# Altium PCB ALCT_MEZ_LX150T.PcbDoc (part 4 of 8) (continued)
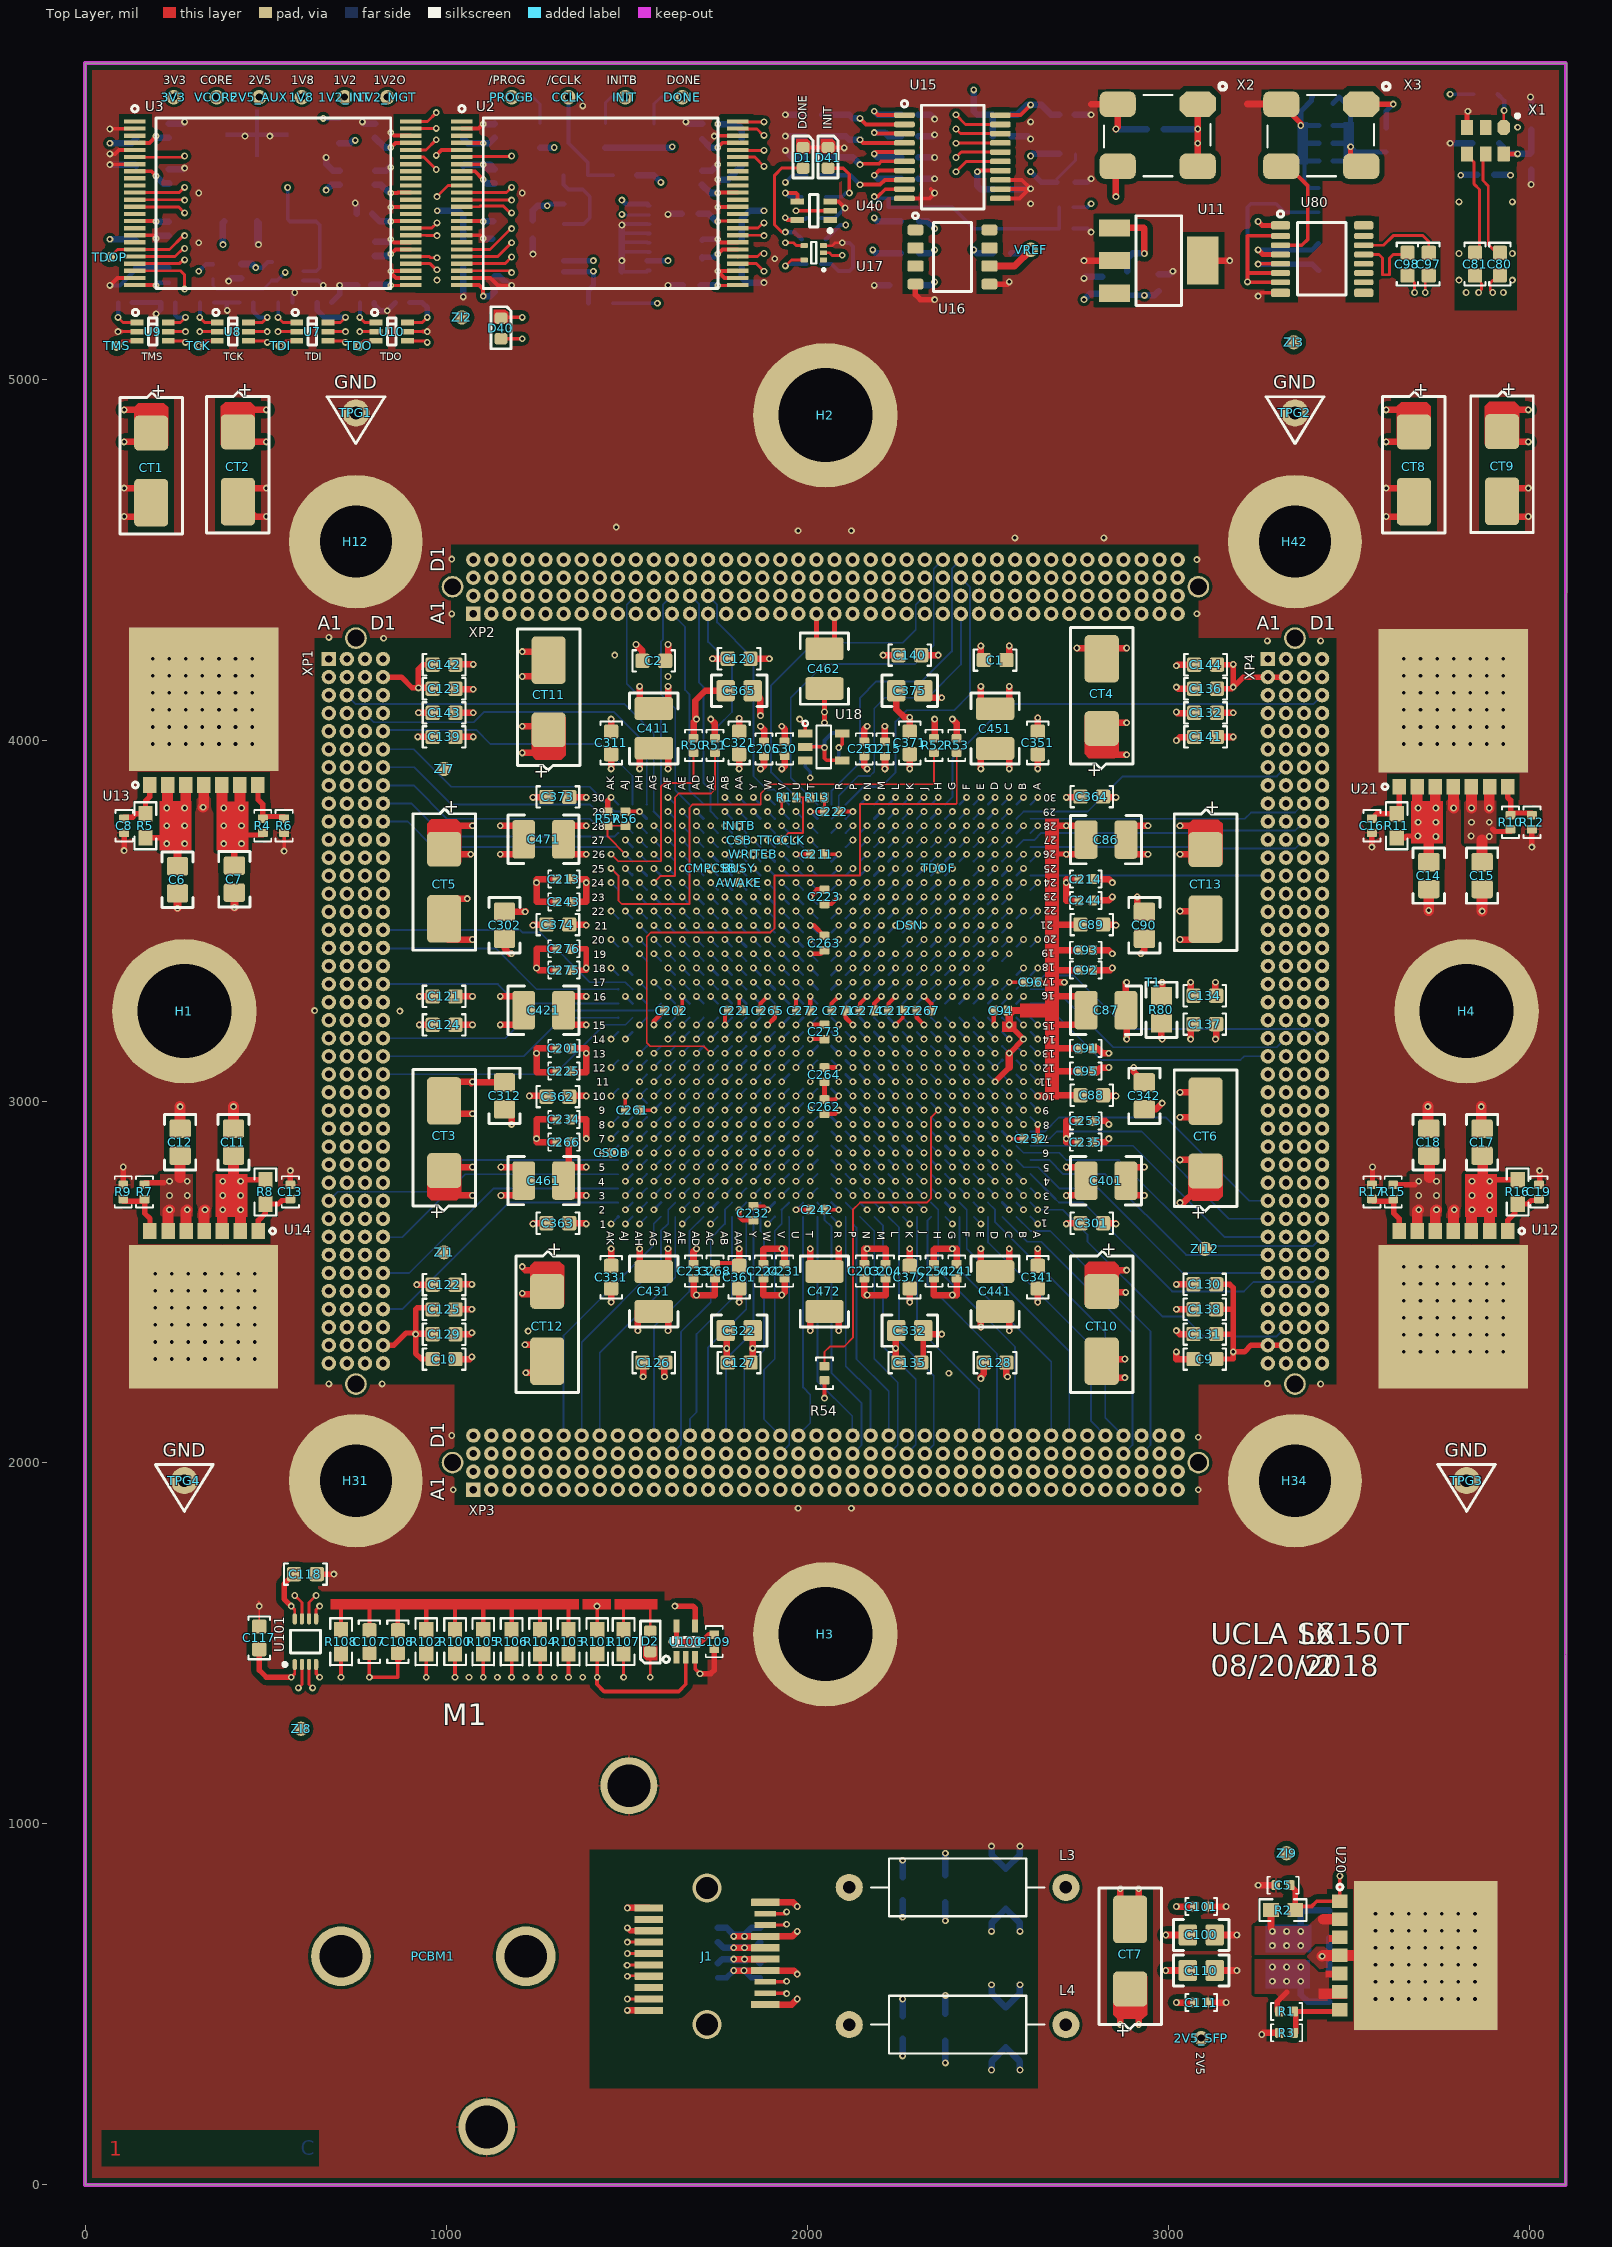
[diagram p0: Top Layer view]
## Nets (pads, with @x,y where several pads share a name; then routed paths per layer and width w, separated by ;. In a path a pad name is that pad's centre, name@x,y a point inside that pad or via, vN(x,y) a via of type N, cw(c..) or ccw(c..) an arc to the next point about the centre after c; other vN are vias at no path point) (continued)
  Bottom Layer w8: U1.F7@2421.26,2916.74 v1(2440.94,2897.05)
  Bottom Layer w10: v1@478.94,5370.87 v1@482.28,5367.53 ; 1487.21,5297.64 U4.8@1556.1,5297.64 ; 1489.17,5378.35 U4.5@1556.1,5378.35 ; 1489.17,5403.94 U4.4@1556.1,5403.94 ; v1@1489.17,5429.53 U4.3@1556.1,5429.53 ; 1491.14,5352.76 U4.6@1556.1,5352.76 ; U4.8@1556.1,5300.6 U4.8@1562.99,5300.6 ; U4.6@1556.1,5351.78 U4.6@1562.99,5351.78 ; U4.5@1556.1,5377.38 U4.5@1562.99,5377.38 ; U4.4@1556.1,5402.96 U4.4@1562.99,5402.96 ; U4.3@1556.1,5428.56 U4.3@1562.99,5428.56 ; U19.5@2086.61,3955.12 v1(2086.61,3979.73)
  Bottom Layer w11: v1(1938.98,5544.69) 1958.66,5564.38 C27.2@1998.03,5564.38 ; C75.2@2037.4,5318.31 2066.93,5318.31 2086.61,5298.63 2116.14,5298.63 2125.98,5308.47 2125.98,5367.53 2116.14,5377.37 v1(2096.46,5377.37) ; C78.2@2037.4,5446.27 2076.77,5446.27 v1(2104.33,5473.82) v1@2106.3,5475.79 ; C33.2@2303.15,5500.4 2337.6,5500.4 v1(2352.36,5515.16) ; R28.2@2736.22,5416.74 2775.59,5416.74 v1(2785.43,5406.9) ; 3375.98,5633.27 3375.98,5603.75 3375.98,5544.69 3391.73,5528.94 R83.2@3415.35,5528.94
  Bottom Layer w12: v1(68.9,5259.26) 96.46,5259.26 C71.2@137.8,5300.6 ; C42.2@357.61,5212.01 392.06,5212.01 ; v1(393.7,5190.36) 392.06,5192 392.06,5212.01 ; C43.2@426.51,5212.01 392.06,5212.01 ; C44.2@574.15,5212.01 574.15,5233.01 v1(580.71,5239.57) ; U6.3@604.33,5273.04 645.67,5273.04 v1(659.45,5259.26)
  Bottom Layer w15: C40.2@131.23,5212.01 C41.2@209.97,5212.01 209.97,5193.64 v1(196.85,5180.52) ; C45.2@682.41,5212.01 704.72,5234.32 v1(704.72,5259.26) ; C46.2@800.52,5212.01 800.52,5206.76 818.24,5189.05 v1(836.61,5189.05) C47.2@859.58,5212.01 ; v1(1486.22,5426.58) v1@1489.17,5429.53 ; C62.2@1708.66,5384.45 1711.42,5387.21 v1(1751.97,5387.21) ; C116.2@1751.97,574.02 1776.57,574.02 v1(1796.26,593.71) ; v1(1824.41,593.71) 1844.1,574.02 C115.2@1870.08,574.02 ; R23.2@2742.13,5544.69 2775.59,5544.69 v1(2785.43,5554.53) ; v1(3248.03,5318.31) C148.2@3287.4,5318.31 C147.2@3336.61,5318.31 3397.64,5318.31 C146.2@3415.35,5300.6 ; 3366.14,5652.96 C133.2@3415.35,5652.96 ; v1(3366.14,5702.17) 3366.14,5741.54 3395.67,5771.07 3395.67,5778.94 C99.2@3397.64,5780.91 ; 3375.98,5603.75 C145.2@3415.35,5603.75 ; 3375.98,5702.17 C119.2@3415.35,5702.17
  Bottom Layer w18: v1(68.9,5593.9) 138.98,5593.9 C69.2@141.73,5591.15 ; C71.2@141.73,5307.68 C59.2@230.31,5307.68 ; C57.2@232.28,5396.27 203.94,5396.27 v1@197.83,5390.16 ; C50.2@232.28,5581.3 270.47,5581.3 274.41,5585.24 v1(275.59,5584.06) ; C55.2@232.28,5707.29 270.87,5707.29 v1(275.59,5712.01) ; v1(397.36,5271.07) 405.24,5278.94 C73.2@433.07,5278.94 ; v1@476.38,5373.43 476.38,5436.42 480.31,5432.49 v1(480.31,5372.25) ; v1(667.32,5613.59) 667.32,5595.87 685.83,5577.37 C72.2@704.72,5577.37 ; v1(704.72,5259.26) 705.91,5260.44 R49.1@753.94,5260.44 ; v1@746.06,5487.6 751.96,5481.71 C56.2@751.96,5457.29 ; v1(767.72,5712.01) 772.43,5707.3 C53.2@803.15,5707.3 ; C51.2@803.15,5380.52 839.76,5380.52 v1(846.46,5387.21) ; C52.2@803.15,5577.37 833.86,5577.37 v1@842.52,5586.03 ; v1(1047.24,5227.76) C60.2@1047.24,5307.68 ; C58.2@1047.24,5591.15 1050,5593.9 v1(1102.36,5593.9) ; v1(1102.36,5389.18) C68.2@1126.77,5389.18 ; v1(1102.36,5706.1) 1132.67,5706.1 C66.2@1133.86,5707.29 ; C70.2@1133.86,5284.85 1147,5284.85 1172.59,5259.26 v1(1181.1,5259.26) ; v1(1240.16,5345.87) C74.2@1240.16,5389.19 ; 1486.22,5298.63 v1(1486.22,5328.16) v1(1486.22,5426.58) ; v1(1614.17,5259.26) 1615.35,5260.44 R48.1@1655.51,5260.44 ; v1(1614.17,5456.11) 1615.35,5457.29 C67.2@1651.57,5457.29 ; v1(1663.39,5712.01) 1668.1,5707.3 C64.2@1708.66,5707.3 ; C63.2@1708.66,5577.37 1735.43,5577.37 v1(1751.97,5593.9) ; C105.2@1751.97,711.82 1776.57,711.82 1786.42,701.97 v1@1796.26,692.13 ; v1(1751.97,5552.56) 1780.31,5552.56 C54.2@1818.9,5591.15 ; C65.2@1818.9,5307.68 1818.9,5280.91 1832.68,5267.13 v1(1879.92,5267.13) ; v1@1825.79,692.13 1845.47,711.82 C106.2@1870.08,711.82 ; v1(1938.98,5633.27) 1958.66,5613.59 C25.2@1994.09,5613.59 ; v1(1938.98,5672.64) C23.2@1994.09,5672.64 ; v1(1938.98,5731.7) C21.2@1994.09,5731.7 ; v1(2185.04,5259.26) C29.2@2226.38,5259.26 ; v1(2263.78,357.49) C114.2@2263.78,404.73 ; C104.2@2263.78,851.58 v1(2263.78,898.82) ; C26.2@2307.09,5554.53 v1(2352.36,5554.53) ; C24.2@2307.09,5613.59 v1(2352.36,5613.59) ; C22.2@2307.09,5672.64 2348.43,5672.64 v1(2352.36,5676.58) ; C20.2@2307.09,5731.7 2340.55,5731.7 v1(2352.36,5719.89) ; v1(2381.89,337.8) C113.2@2381.89,398.82 ; C103.2@2381.89,857.49 v1(2381.89,918.51) ; v1(2509.84,318.12) 2509.84,341.74 2549.21,381.11 2588.58,341.74 v1(2588.58,318.12) ; v1(2509.84,938.19) 2509.84,914.57 C102.2@2549.21,875.2 2588.58,914.57 v1(2588.58,938.19) ; C31.2@2562.99,5525.01 2616.14,5525.01 v1(2618.11,5526.97) ; R22.2@2564.96,5672.64 2610.24,5672.64 v1(2618.11,5664.77) ; C28.2@2740.16,5731.7 v1(2785.43,5731.7) ; v1(2765.75,5278.94) 2769.68,5282.88 C32.2@2816.19,5282.88 ; v1(2854.33,5692.33) C77.2@2938.98,5692.33 ; C76.2@2972.44,5290.75 3003.94,5290.75 v1(3011.81,5298.63) ; v1(3425.2,633.08) 3444.88,633.08 ; C4.2@3444.88,581.9 3444.88,633.08 ; C3.2@3444.88,684.26 3444.88,633.08 ; 3524.41,562.21 v1(3572.83,562.21) ; 3526.77,703.94 v1(3572.83,703.94) ; v1(3779.53,5652.96) C82.2@3840.55,5652.96 ; v1(3809.06,5564.38) 3811.02,5566.34 C83.2@3854.33,5566.34 ; v1(4001.97,5780.91) 4003.94,5778.94 C84.2@4003.94,5737.6 ; v1(4003.94,5538.79) C85.2@4003.94,5580.12 ; v1@197.83,5390.16 198.82,5389.18 v1(196.85,5389.18) v1@197.83,5390.16 ; v1(1102.36,5593.9) 1121.26,5593.9 C61.2@1133.86,5581.3 1114.96,5581.3 v1(1102.36,5593.9)
  other v1: 3572.83,514.97 3618.77,514.97 3664.7,514.97 3710.63,514.97 3756.56,514.97 3802.49,514.97 3848.42,514.97 3618.77,562.21 3664.7,562.21 3710.63,562.21 3756.56,562.21 3802.49,562.21 3848.42,562.21 3572.83,609.45 3618.77,609.45 3664.7,609.45 3710.63,609.45 3756.56,609.45 3802.49,609.45 3848.42,609.45 3572.83,656.7 3618.77,656.7 3664.7,656.7 3710.63,656.7 3756.56,656.7 3802.49,656.7 3848.42,656.7 1825.79,688.19 3618.77,703.94 3664.7,703.94 3710.63,703.94 3756.56,703.94 3802.49,703.94 3848.42,703.94 3572.83,751.19 3618.77,751.19 3664.7,751.19 3710.63,751.19 3756.56,751.19 3802.49,751.19 3848.42,751.19 1062.99,1405.56 1141.73,1405.56 1220.47,1405.56 1299.21,1405.56 1377.95,1405.56 482.28,1602.56 1417.32,1602.56 1974.21,1873.43 2121.86,1873.43 1019.49,1925.01 3082.06,1925.01 3082.06,2070.28 1015.35,2075.01 3421.06,2217.51 675,2217.92 822.64,2217.92 3273.43,2218.68 194.34,2286.82 240.27,2286.82 286.2,2286.82 332.14,2286.82 378.07,2286.82 424,2286.82 469.93,2286.82 3651.57,2306.5 3697.51,2306.5 3743.44,2306.5 3789.37,2306.5 3835.3,2306.5 3881.23,2306.5 3927.16,2306.5 1218.01,2326.19 194.34,2334.06 240.27,2334.06 286.2,2334.06 332.14,2334.06 378.07,2334.06 424,2334.06 469.93,2334.06 3651.57,2353.75 3697.51,2353.75 3743.44,2353.75 3789.37,2353.75 3835.3,2353.75 3881.23,2353.75 3927.16,2353.75 194.34,2381.3 240.27,2381.3 286.2,2381.3 332.14,2381.3 378.07,2381.3 424,2381.3 469.93,2381.3 3651.57,2400.99 3697.51,2400.99 3743.44,2400.99 3789.37,2400.99 3835.3,2400.99 3881.23,2400.99 3927.16,2400.99 194.34,2428.55 240.27,2428.55 286.2,2428.55 332.14,2428.55 378.07,2428.55 424,2428.55 469.93,2428.55 3651.57,2448.23 3697.51,2448.23 3743.44,2448.23 3789.37,2448.23 3835.3,2448.23 3881.23,2448.23 3927.16,2448.23 194.34,2475.79 240.27,2475.79 286.2,2475.79 332.14,2475.79 378.07,2475.79 424,2475.79 469.93,2475.79 3651.57,2495.48 3697.51,2495.48 3743.44,2495.48 3789.37,2495.48 3835.3,2495.48 3881.23,2495.48 3927.16,2495.48 194.34,2523.04 240.27,2523.04 286.2,2523.04 332.14,2523.04 378.07,2523.04 424,2523.04 469.93,2523.04 3651.57,2542.72 3697.51,2542.72 3743.44,2542.72 3789.37,2542.72 3835.3,2542.72 3881.23,2542.72 3927.16,2542.72 871.85,3250.01 635.63,3251.38 1496.08,3369.48 1574.8,3448.23 187.01,3989.57 232.94,3989.57 278.87,3989.57 324.8,3989.57 370.73,3989.57 416.67,3989.57 462.6,3989.57 3651.57,3989.57 3697.51,3989.57 3743.44,3989.57 3789.37,3989.57 3835.3,3989.57 3881.23,3989.57 3927.16,3989.57 187.01,4036.82 232.94,4036.82 278.87,4036.82 324.8,4036.82 370.73,4036.82 416.67,4036.82 462.6,4036.82 3651.57,4036.82 3697.51,4036.82 3743.44,4036.82 3789.37,4036.82 3835.3,4036.82 3881.23,4036.82 3927.16,4036.82 187.01,4084.06 232.94,4084.06 278.87,4084.06 324.8,4084.06 370.73,4084.06 416.67,4084.06 462.6,4084.06 3651.57,4084.06 3697.51,4084.06 3743.44,4084.06 3789.37,4084.06 3835.3,4084.06 3881.23,4084.06 3927.16,4084.06 187.01,4131.31 232.94,4131.31 278.87,4131.31 324.8,4131.31 370.73,4131.31 416.67,4131.31 462.6,4131.31 3651.57,4131.3 3697.51,4131.3 3743.44,4131.3 3789.37,4131.3 3835.3,4131.3 3881.23,4131.3 3927.16,4131.3 187.01,4178.55 232.94,4178.55 278.87,4178.55 324.8,4178.55 370.73,4178.55 416.67,4178.55 462.6,4178.55 3651.57,4178.55 3697.51,4178.55 3743.44,4178.55 3789.37,4178.55 3835.3,4178.55 3881.23,4178.55 3927.16,4178.55 187.01,4225.79 232.94,4225.79 278.87,4225.79 324.8,4225.79 370.73,4225.79 416.67,4225.79 462.6,4225.79 3651.57,4225.79 3697.51,4225.79 3743.44,4225.79 3789.37,4225.79 3835.3,4225.79 3881.23,4225.79 3927.16,4225.79 3273.43,4275.01 3420.87,4275.01 826.77,4282.51 675,4284.85 1015.35,4350.01 3078.37,4350.12 3078.37,4500.01 1015.35,4501.38 2574.61,4560.44 2820.87,4560.44 1974.21,4580.12 2121.86,4580.12 1470.87,4589.97 3823.82,5239.57 3927.17,5239.57 974.41,5274.02 3804.13,5274.02 3951.77,5274.02 846.46,5298.63 1909.45,5333.08 3804.13,5347.84 3951.77,5347.84 314.96,5377.37 1751.97,5475.79 2618.11,5485.64 748.03,5487.6 3804.13,5490.56 3951.77,5490.56 314.96,5515.16 1210.63,5515.16 846.46,5586.03 442.91,5672.64 511.81,5672.64 2618.11,5712.01 1377.95,5756.3
HSWAPEN: R54.1 U1.H9 | length 994.5
  Top Layer w5: R54.1@2047.24,2271.07 2047.24,2306.5 2062.01,2321.27 2101.38,2321.27 2125.98,2345.87 2125.98,2700.2 2145.67,2719.89 2330.74,2719.89 2342.52,2731.66 2342.52,2956.09 v1(2362.21,2975.78)
  Bottom Layer w6: U1.H9@2342.52,2995.48 v1(2362.21,2975.78)
INIT2: R59.1 U40.4 | length 104.1
  Top Layer w10: v3(1938.98,5515.16) 1968.5,5515.16 1972.44,5511.23 U40.4@1972.44,5491.54
  Bottom Layer w10: v3(1938.98,5515.16) 1948.82,5505.32 R59.1@1984.25,5505.32
INIT_B: INIT.1 R43.2 U1.AJ6 U2.11 U3.11 U40.2 | length 8281.8
  Top Layer w8: U3.11@137.8,5516.34 261.02,5516.34 v1(275.59,5530.91) ; U2.11@1043.31,5516.34 1166.54,5516.34 v1(1181.1,5530.91)
  Top Layer w10: v1(1968.5,5465.95) U40.2@2062.99,5465.95
  Mid-Layer 5 w5: v1(275.59,5530.91) 386.01,5641.33 756.11,5641.33 828.57,5713.8 992.31,5713.8 1082.68,5623.43 1141.73,5623.43 1157.48,5607.68 1157.48,5554.53 v1(1181.1,5530.91) 1220.47,5570.28 1220.47,5771.07 1269.68,5820.28 1417.32,5820.28 1456.69,5780.91 v2(1496.06,5780.91) ; v2@1496.06,5790.75 v2(1496.06,5780.91) ; v1(1968.5,5465.95) 1968.5,5298.63 1998.03,5269.1 2114.17,5269.1 2125.3,5280.23 2125.3,5434.45 2114.17,5445.58 2089.46,5445.58 2075,5460.05 2075,5750.6 2005.32,5820.28 1574.8,5820.28 1535.43,5780.91 v2(1496.06,5780.91)
  Mid-Layer 7 w5: v1(275.59,5530.91) 84.65,5530.91 21.5,5467.77 21.5,2737.76 118.11,2641.15 482.28,2641.15 641.14,2800.01 923.75,2800.01 925,2798.75
  Mid-Layer 7 w5.12: 925,2798.75 1437.13,2798.75 v1(1496.06,2857.68)
  Bottom Layer w6: v1@1496.08,2857.68 U1.AJ6@1515.75,2877.37
  Bottom Layer w8: R43.2@1440.94,5708.08 1440.94,5765.16 1456.69,5780.91 v2(1496.06,5780.91)
INIT_LED: D41.A R59.2 | length 187.2
  Top Layer w10: D41.A@2057.09,5584.06 2099.44,5584.06 2116.14,5567.36 v3(2116.14,5515.15)
  Bottom Layer w10: R59.2@2051.18,5505.32 2096.46,5505.32 2106.29,5515.15 v3(2116.14,5515.15)
led1: U1.AA29 XP2.A25 | length 927.2
  Mid-Layer 7 w5: v1(1811.02,3802.56) 1830.52,3822.06 1830.52,4134.05 1951.79,4255.32 2224.41,4255.32 2275,4305.91 XP2.A25@2275,4350.01
  Bottom Layer w6: v1(1811.02,3802.56) U1.AA29@1830.71,3782.88
led2: U1.U28 XP2.A26 | length 905.3
  Mid-Layer 7 w5: v1(1968.52,3763.19) 1949,3782.71 1949,4098.03 2012.8,4161.82 2229.33,4161.82 2325,4257.49 XP2.A26@2325,4350.01
  Bottom Layer w6: v1(1968.52,3763.19) U1.U28@1988.19,3743.51
led3: U1.U29 XP2.A27 | length 886.5
  Mid-Layer 7 w5: v1(1968.5,3802.56) 1988.37,3822.43 1988.37,3904.15 2002.95,3918.72 2002.95,4083.08 2047.24,4127.37 2281.51,4127.37 2381.7,4227.56 2381.7,4294.88 2375,4301.58 XP2.A27@2375,4350.01
  Bottom Layer w6: v1(1968.5,3802.56) U1.U29@1988.19,3782.88
led4: U1.R29 XP2.A28 | length 803.7
  Bottom Layer w5: U1.R29@2066.93,3782.88 2086.61,3802.56 2086.61,3846.86 2140.75,3900.99 2173.25,3900.99 2185.04,3912.78 2185.04,4088 2214.57,4117.53 2332.68,4117.53 2425,4209.85 XP2.A28@2425,4350.01
led5: U1.AA30 XP2.B25 | length 964.9
  Mid-Layer 7 w5: v1(1811.02,3841.93) 1791.52,3861.43 1791.52,4166.92 1924.21,4299.61 2215.55,4299.61 2250,4334.06 2250,4375.01 XP2.B25@2275,4400.01
  Bottom Layer w6: v1(1811.02,3841.93) U1.AA30@1830.71,3822.25
led6: U1.U30 XP2.B26 | length 934.8
  Bottom Layer w5: U1.U30@1988.19,3822.25 1899.61,3910.83 1899.61,4151.97 2017.72,4270.08 2263.78,4270.08 2300,4306.3 2300,4375.01 XP2.B26@2325,4400.01
led7: U1.N27 XP2.B27 | length 807
  Mid-Layer 4 w5: v1(2165.36,3723.82) 2185.18,3743.63 2212.74,3743.63 2224.53,3755.42 2224.53,3901.05 2234.31,3910.83 2234.31,4156.95 2350,4272.64 2350,4375.01 XP2.B27@2375,4400.01
  Bottom Layer w6: U1.N27@2145.68,3704.13 v1(2165.36,3723.82)
led8: U1.T27 XP2.B28 | length 1015.2
  Mid-Layer 1 w5: v1(2007.88,3723.82) 2057.09,3773.03 2057.09,3955.12 2066.93,3964.96 2066.93,4147.05 2135.83,4215.95 2372.05,4215.95 2400,4243.9 2400,4375.01 XP2.B28@2425,4400.01
  Bottom Layer w6: v1(2007.88,3723.82) U1.T27@2027.56,3704.14
led9: U1.R28 XP2.B29 | length 975.4
  Mid-Layer 1 w5: v1(2086.62,3763.19) 2086.62,3940.37 2116.14,3969.89 2116.14,4137.21 2165.35,4186.42 2421.26,4186.42 2450,4215.16 2450,4375.01 XP2.B29@2475,4400.01
  Bottom Layer w6: U1.R28@2066.93,3743.51 v1(2086.62,3763.19)
led10: U1.G25 XP2.B30 | length 938
  Mid-Layer 2 w5: v1(2401.58,3645.07) 2382.08,3625.57 2354.13,3625.57 2342.7,3637 2342.7,3852.15 2421.07,3930.52 2421.07,4166.74 2500.5,4246.16 2500.5,4375.51 XP2.B30@2525,4400.01
  Bottom Layer w6: U1.G25@2381.89,3625.4 v1(2401.58,3645.07)
led11: U1.Y30 XP2.C25 | length 968
  Mid-Layer 7 w5: v1(1850.39,3841.93) 1894.68,3886.23 1894.68,4107.68 1973.43,4186.42 2204.72,4186.42 2300,4281.7 2300,4425.01 XP2.C25@2275,4450.01
  Bottom Layer w6: v1(1850.39,3841.93) U1.Y30@1870.08,3822.25
led12: U1.U27 XP2.C26 | length 1017
  Mid-Layer 1 w5: v1(1968.51,3723.82) 1988.19,3743.5 1988.19,4030.89 1997.85,4040.55 1997.85,4186.24 2091.54,4279.93 2288.39,4279.93 2300,4291.54 2300,4425.01 XP2.C26@2325,4450.01
  Bottom Layer w6: v1(1968.51,3723.82) U1.U27@1988.19,3704.14
led13: U1.T28 XP2.C27 | length 987.8
  Mid-Layer 1 w5: v1(2007.88,3763.19) 2027.49,3782.79 2027.49,4166.67 2116.14,4255.32 2322.83,4255.32 2350,4282.49 2350,4425.01 XP2.C27@2375,4450.01
  Bottom Layer w6: v1(2007.88,3763.19) U1.T28@2027.56,3743.51
led14: U1.P30 XP2.C28 | length 886
  Bottom Layer w5: 2204.72,3871.46 2244.09,3910.83 2244.09,4051.6 2275.39,4082.89 2406.31,4082.89 2450,4126.58 2450,4425.01 XP2.C28@2425,4450.01
  Bottom Layer w6: U1.P30@2106.3,3822.25 2155.51,3871.46 2204.72,3871.46
led15: U1.P28 XP2.C29 | length 1052.4
  Mid-Layer 1 w5: v1(2125.99,3763.19) 2145.83,3783.03 2145.83,3861.78 2195.07,3911.02 2195.07,4078.34 2253.75,4137.03 2464.73,4137.03 2472.24,4129.52 2488.39,4129.52 2529.53,4170.66 2529.53,4294.69 2500,4324.22 2500,4425.01 XP2.C29@2475,4450.01
  Bottom Layer w6: U1.P28@2106.3,3743.51 v1(2125.99,3763.19)
led16: U1.P27 XP2.D25 | length 865.7
  Mid-Layer 4 w5: v1(2125.99,3723.82) 2145.49,3743.31 2145.49,4215.77 2250,4320.28 2250,4475.01 XP2.D25@2275,4500.01
  Bottom Layer w6: U1.P27@2106.3,3704.14 v1(2125.99,3723.82)
led17: U1.N28 XP2.D26 | length 830.8
  Mid-Layer 4 w5: v1(2165.35,3763.19) 2185.04,3782.88 2185.04,4183.45 2300,4298.41 2300,4475.01 XP2.D26@2325,4500.01
  Bottom Layer w6: U1.N28@2145.68,3743.52 v1(2165.35,3763.19)
led18: U1.T30 XP2.D27 | length 1029.8
  Bottom Layer w5: U1.T30@2027.56,3822.25 1953.74,3896.07 1953.74,4117.53 2047.24,4211.03 2298.23,4211.03 2350,4262.8 2350,4475.01 XP2.D27@2375,4500.01
led19: U1.R30 XP2.D28 | length 899.9
  Bottom Layer w5: U1.R30@2066.93,3822.25 2066.93,3860.64 2145.85,3939.56 2145.85,4117.71 2191.03,4162.89 2317.03,4162.89 2400,4245.85 2400,4475.01 XP2.D28@2425,4500.01
led20: U1.N30 XP2.D29 | length 1012.3
  Mid-Layer 7 w5: v1(2165.35,3841.93) 2145.85,3861.43 2145.85,3999.6 2165.35,4019.1 2440.94,4019.1 2499.82,4077.97 2499.82,4475.19 XP2.D29@2475,4500.01
  Bottom Layer w6: U1.N30@2145.67,3822.25 v1(2165.35,3841.93)
M0: R50.1 U1.AK26 | length 551.2
  Top Layer w5: v1(1456.69,3684.45) 1476.38,3664.77 1594.49,3664.77 1594.49,3871.46 1604.33,3881.3 1679.13,3881.3 1685.04,3887.21 R50.1@1685.04,3960.05
  Bottom Layer w6: v1@1455.36,3683.12 1458.03,3683.12 U1.AK26@1476.38,3664.77
M1: R51.1 U1.AG24 | length 528
  Top Layer w5: v1(1574.81,3605.7) 1593.68,3624.57 1633.45,3624.57 1633.45,3842.34 1643.7,3852.59 1733.1,3852.59 1744.09,3863.59 R51.1@1744.09,3960.05
  Bottom Layer w6: v1(1574.81,3605.7) U1.AG24@1594.49,3586.02
MC_SN: DSN.1 R55.2 U1.K21 U11.2 | length 2941.7
  Top Layer w18: U11.2@2850.39,5418.71 2931.1,5418.71 2933.07,5416.74 v1(2933.07,5347.84)
  Mid-Layer 7 w5: v1(2283.48,3487.6) 2303.16,3507.28 2303.16,3783.05 2302.99,3782.88 2263.78,3782.88 2263.78,3950.2 2283.46,3969.89 2672.24,3969.89 3016.73,4314.38 3095.47,4314.38 3121,4339.9 3121,4835.11 2883.86,5072.25 2883.86,5328.16 2903.54,5347.84 v1(2933.07,5347.84)
  Bottom Layer w6: U1.K21@2263.78,3467.92 v1(2283.48,3487.6)
  Bottom Layer w18: R55.2@2885.83,5298.63 2885.83,5333.51 2900.85,5348.53 2932.38,5348.53 v1(2933.07,5347.84)
MEZ_CLOCK: R13.2 R14.1 TTCCLK.1 U1.V27 U4.2 XP2.D21 | length 3475.5
  Top Layer w5: v1(1929.14,3723.82) 1948.82,3743.49 1988.17,3743.49 ; R14.1@1968.5,3841.93 1988.19,3841.93 ; 1988.19,3743.51 1988.19,3841.93 ; R13.2@2007.87,3841.93 1988.19,3841.93
  Mid-Layer 5 w5: v1(1929.14,3723.82) 1948.65,3743.33 1948.65,3930.69 1909.45,3969.89 1909.45,4081.13 1749.5,4241.08 1749.5,4621.96 1456.69,4914.77 1456.69,5426.58 v1(1486.22,5456.11) 1505.91,5456.11 1564.96,5397.05 1564.96,5052.56 2075,4542.53 XP2.D21@2075,4500.01
  Bottom Layer w6: v1(1929.14,3723.82) U1.V27@1948.82,3704.14
  Bottom Layer w8: v1@1488.18,5454.15 U4.2@1562.99,5454.15
mgt_refclk0_n: C80.2 U1.A13 | length 3224
  Top Layer w8: v1(3897.64,5239.57) 3890.61,5246.6 3890.61,5266.01 C80.2@3897.64,5273.04
  Mid-Layer 7 w5: v1(2637.8,3133.27) 2722.75,3133.27 2781.8,3192.33 3179.13,3192.33 3220.96,3150.51 3452.27,3150.51 3484.25,3182.49 3484.25,3186.47 3543.31,3245.52 3543.31,3768.71 3543.31,3792.13 ccw(c3543.31,3804.63) 3543.31,3817.13 3543.31,3842.13 3543.31,3867.13 3543.31,4343.9 3895.3,4695.89 3895.3,4944.3 3895.3,5101.25 3878.72,5117.83 3878.72,5222.99 v1@3895.3,5239.57
  Bottom Layer w6: U1.A13@2618.11,3152.96 v1(2637.8,3133.27)
mgt_refclk0_p: C81.2 U1.B13 | length 3253.4
  Top Layer w5: C81.2@3848.43,5282.88 3866.61,5264.69
  Top Layer w8: v1(3858.27,5239.57) 3866.61,5247.91 3866.61,5264.69
  Mid-Layer 7 w5: v1(2598.42,3133.27) 2618.11,3152.96 2652.8,3152.96 2657.48,3148.27 2716.54,3148.27 2775.59,3207.33 3185.35,3207.33 3192.17,3200.51 3477.08,3200.51 3528.31,3251.74 3528.31,4350.12 3880.3,4702.1 3880.3,4944.3 3880.3,4945.69 3870.3,4945.69 3870.3,4960.69 3880.3,4960.69 3880.3,4975.69 3870.3,4975.69 3870.3,4990.69 3880.3,4990.69 3880.3,5005.69 3880.3,5013.19 3880.3,5095.04 3863.72,5111.62 3863.72,5234.12 v1(3858.27,5239.57)
  Bottom Layer w6: U1.B13@2578.74,3152.96 v1(2598.42,3133.27)
mgt_refclk1_n: C97.2 U1.C14 | length 3118.3
  Top Layer w8: v1(3710.63,5239.57) 3710.63,5276.97 C97.2@3720.47,5286.82
  Mid-Layer 7 w5: v1(2559.05,3172.64) 2578.74,3192.33 2657.48,3192.33 2691.69,3226.54 3195.19,3226.54 3220.03,3251.38 3220.91,3250.51 3435.15,3250.51 3449.5,3264.86 3449.5,3271.07 3499.25,3320.82 3499.25,4398.27 3646.89,4545.91 3646.89,4751.08 3705.94,4810.13 3705.94,4973.82 3705.94,5019.75 3712.66,5019.75 3712.66,5034.75 3705.94,5034.75 3705.94,5049.75 3712.66,5049.75 3712.66,5064.75 3705.94,5064.75 3705.94,5072.25 3705.94,5234.89 v1(3710.63,5239.57)
  Bottom Layer w6: U1.C14@2539.37,3192.33 v1(2559.05,3172.64)
mgt_refclk1_p: C98.2 U1.D14 | length 3116.5
  Top Layer w8: C98.2@3661.42,5286.82 3681.1,5267.13 v1(3681.1,5239.57)
  Mid-Layer 7 w5: v1(2519.69,3172.65) 2540.06,3193.03 2540.06,3219.87 2551.89,3231.7 2657.48,3231.7 2667.32,3241.54 3188.98,3241.54 3228.35,3280.91 3246.25,3280.91 3264.85,3299.51 3434.15,3299.51 3484.25,3349.61 3484.25,4404.49 3631.89,4552.12 3631.89,4757.29 3690.94,4816.34 3690.94,5229.73 v1(3681.1,5239.57)
  Bottom Layer w6: U1.D14@2500,3192.31 v1@2519.67,3172.64
mgtavttrcal: R80.1 T1.1 U1.E14 | length 714.1
  Top Layer w18: R80.1@2982.28,3292.72 v1(2982.28,3330.12)
  Mid-Layer 7 w5: v1(2480.33,3172.63) 2500,3192.31 2500,3231.7 2529.53,3261.23 2618.11,3261.23 2625.61,3261.23 2625.61,3270.35 2640.61,3270.35 2640.61,3261.23 2667.32,3261.23 2982.28,3261.23 v1(2982.28,3330.12)
  Bottom Layer w6: U1.E14@2460.64,3192.32 v1(2480.33,3172.63)
mgtrref: R80.2 U1.E12 | length 714.1
  Top Layer w18: R80.2@2980.32,3215.95 2980.32,3174.61 v1(2982.28,3172.64)
  Mid-Layer 7 w5: v1(2480.33,3093.9) 2500.02,3113.59 2864.17,3113.59 2864.17,3123.43 2874.02,3123.43 2874.02,3113.59 2883.86,3113.59 2883.86,3123.43 2893.7,3123.43 2893.7,3113.59 2903.54,3113.59 2903.54,3123.43 2913.39,3123.43 2913.39,3113.59 2923.23,3113.59 2923.23,3123.43 2933.07,3123.43 2933.07,3113.59 2972.44,3113.59 2982.28,3123.43 v1(2982.28,3172.64)
  Bottom Layer w6: U1.E12@2460.63,3113.59 v1(2480.33,3093.9)
mod_abs: D2.K J1.6 | length 1081.1
  Top Layer w8: v1(1500.98,608.47) 1501.97,609.45 J1.6@1559.45,609.45 ; J1.6@1560.63,609.45 J1.6@1559.45,609.45 ; J1.6@1560.63,610.64 J1.6@1559.45,609.45 ; v1(1564.96,1405.56) D2.K@1564.96,1476.58
  Mid-Layer 7 w8: v1(1500.98,608.47) 1574.8,608.47 1663.39,697.05 1663.39,1307.13 v1(1564.96,1405.56)
NetD2_A: D2.A R107.2 | length 138.8
  Top Layer w8: R107.2@1491.14,1537.6 1491.14,1597.64 ; D2.A@1564.96,1533.67 1564.96,1612.41
NetJ1_3: J1.3 R108.2 U100.4 | length 2833.9
  Top Layer w12: v1@708.66,1405.71 R108.2@708.66,1470.68
  Top Layer w15: v1(1501.58,711.82) 1509.45,703.94 J1.3@1560.63,703.94 ; v1@1633.86,1602.56 1683.07,1602.56 1688.98,1596.66 U100.4@1688.98,1547.45
  Mid-Layer 2 w6: v1(708.66,1405.56) 708.66,963.59 842.32,829.93 1328.74,829.93 1446.85,711.82 v1(1501.58,711.82)
  Mid-Layer 7 w6: v1(1501.58,711.82) 1545.28,711.82 1624.02,790.56 1624.02,1140.75 1398.61,1366.16 1398.61,1544.09 1447.24,1592.72 1623.23,1592.72 v1(1633.07,1602.56)